# Altium PCB HAND_MULTILAYER.PcbDoc (part 2 of 3) (continued)
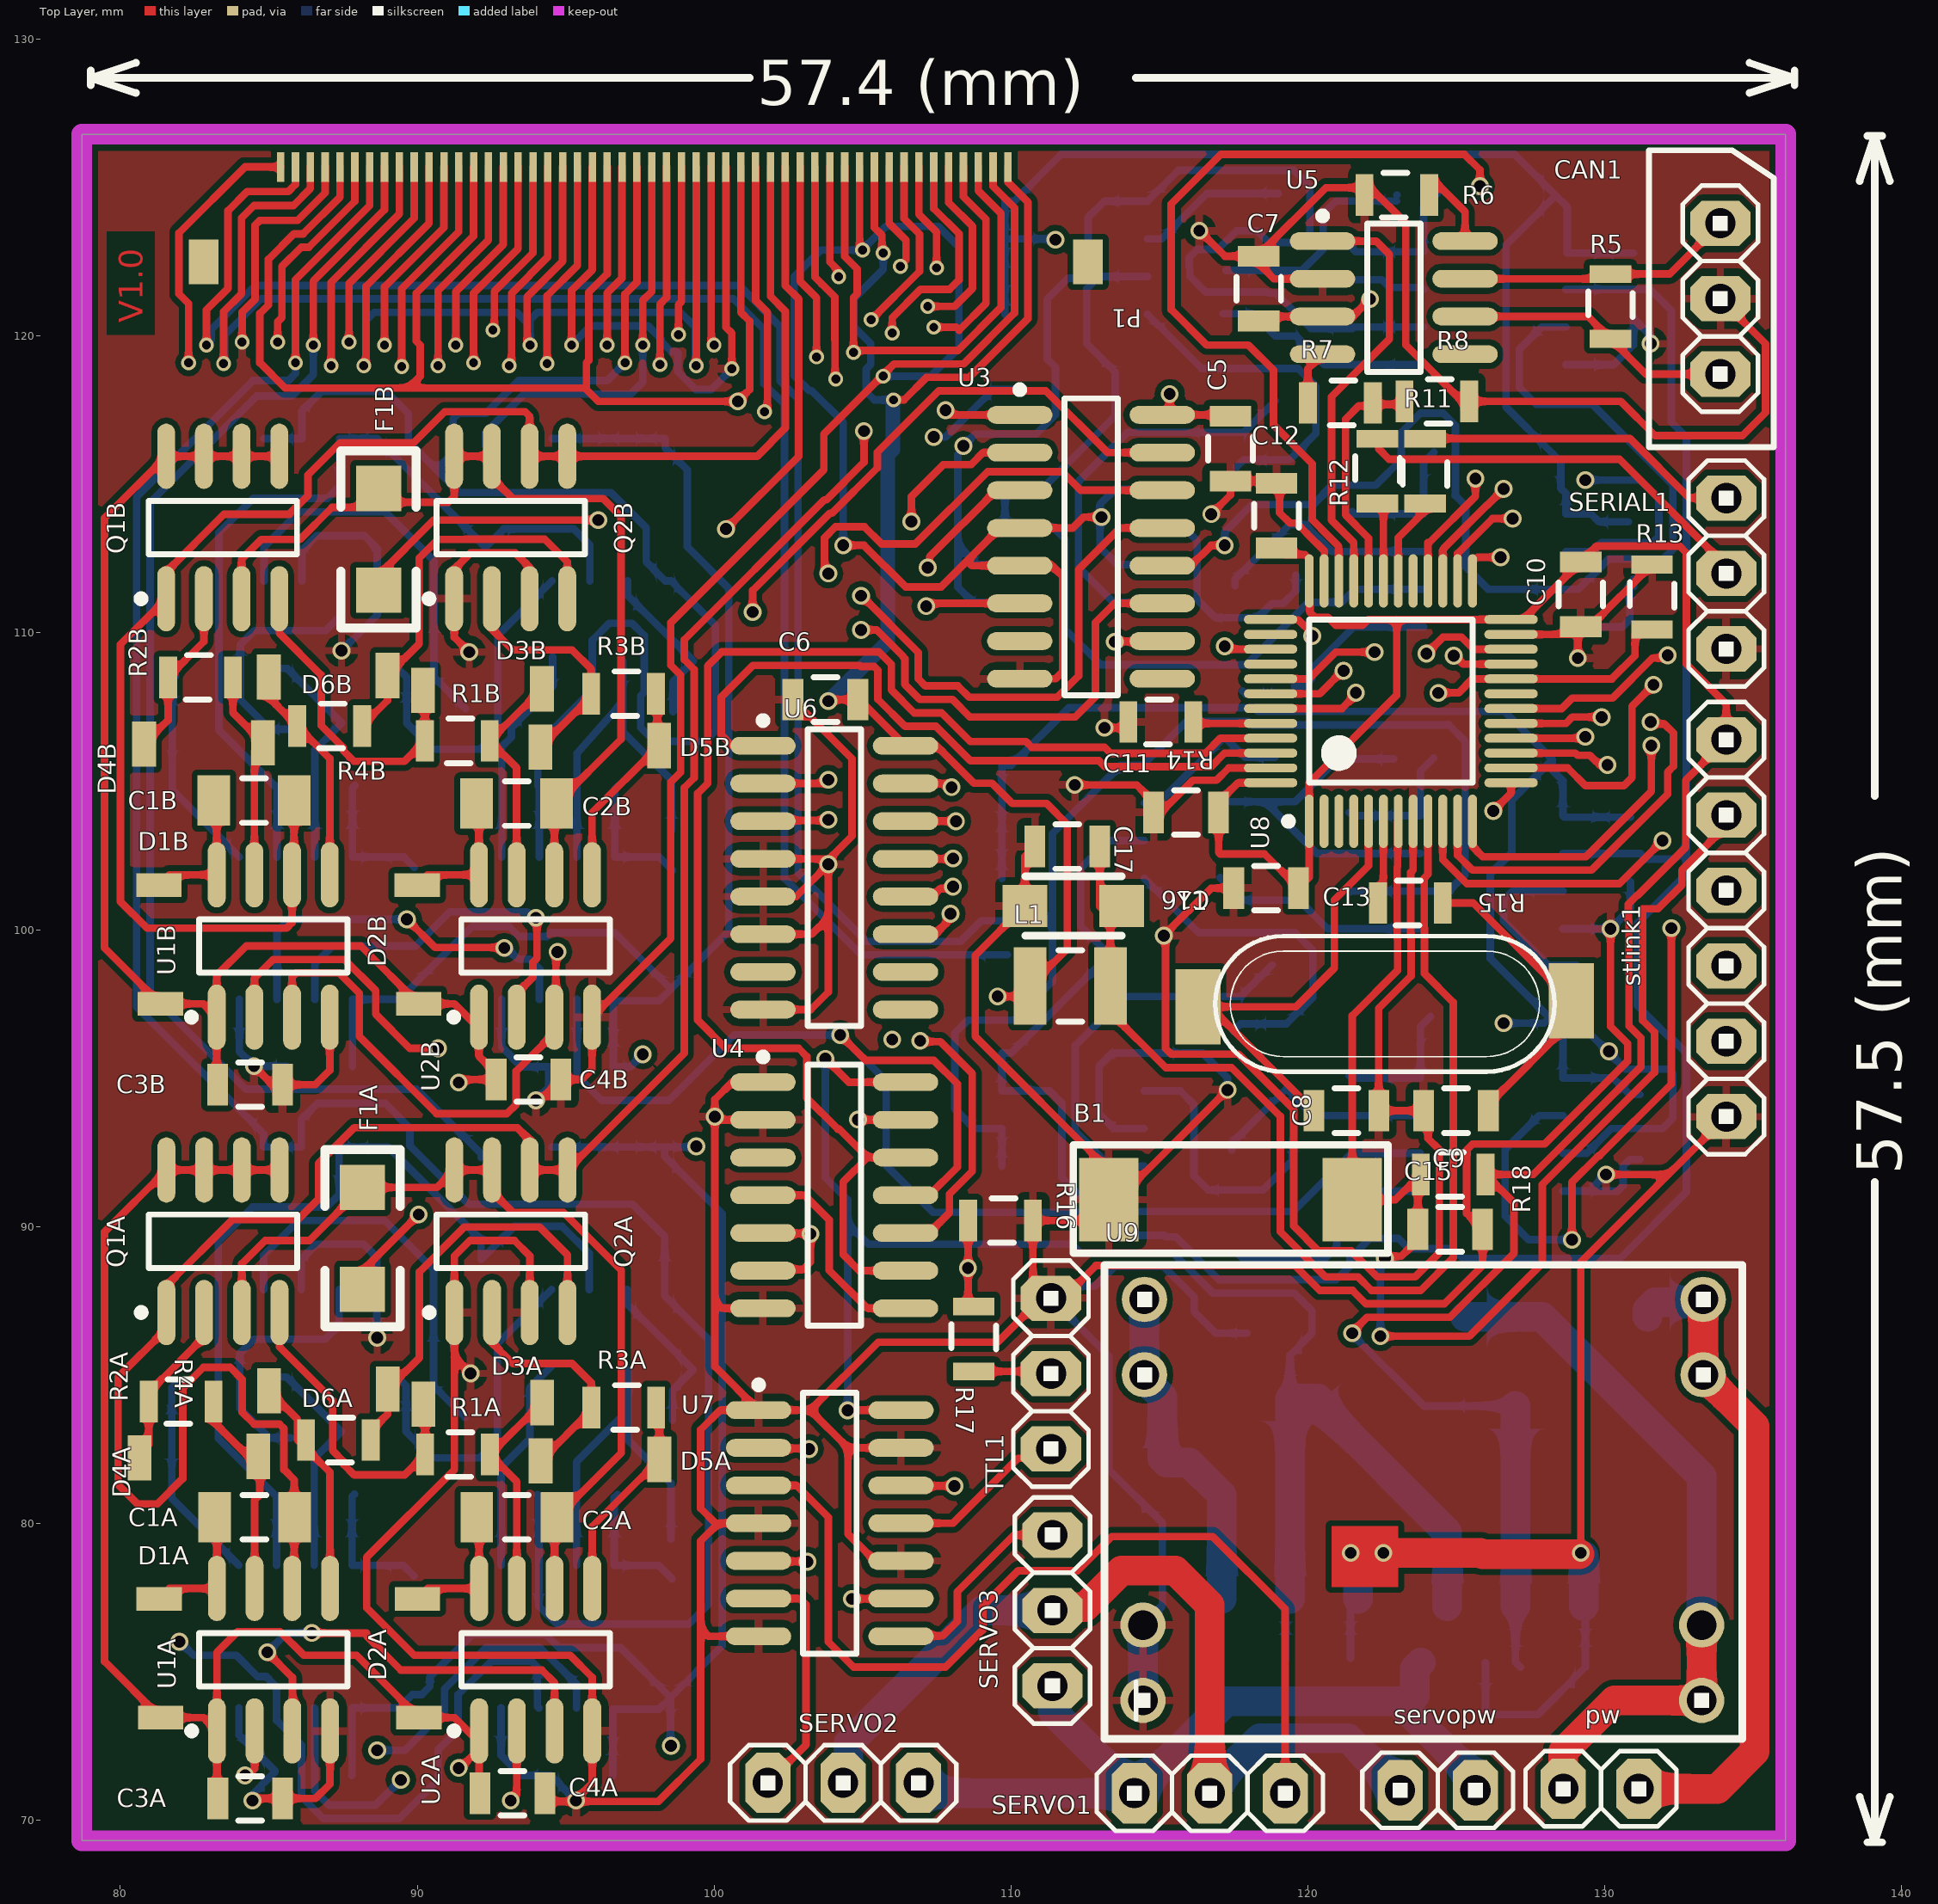
[diagram p0: Top Layer view]
## Nets (pads, with @x,y where several pads share a name; then routed paths per layer and width w, separated by ;. In a path a pad name is that pad's centre, name@x,y a point inside that pad or via, vN(x,y) a via of type N, cw(c..) or ccw(c..) an arc to the next point about the centre after c; other vN are vias at no path point) (continued)
NetC2B_2: C2B.2 D2B.K U2B.8 | length 4.7
  Top Layer w0.254: D2B.K@90,101.5 90.35,101.85 U2B.8@92.08,101.85 92.08,104.17 C2B.2@92,104.25
NetC2C_1: C2C.1 F1C.2 Q1C.3 Q2C.7 Q2C.8 U2C.6 | length 29.7
  Bottom Layer w0.254: U2C.6@85.28,102.45 85.28,104.77 C2C.1@85.2,104.85 83.317,106.733 83.317,113.375 84.471,114.529 86.971,114.529 87.385,114.943 Q2C.7@87.385,116.55 Q2C.8@88.655,116.55 88.655,116.53 F1C.2@92.3,112.885 92.914,113.5 95.277,113.5 95.815,112.962 Q1C.3@95.815,111.75
NetC2C_2: C2C.2 D2C.K U2C.8 | length 4.7
  Bottom Layer w0.254: C2C.2@87.9,104.85 87.82,104.77 U2C.8@87.82,102.45 89.55,102.45 D2C.K@89.9,102.1
NetC2D_1: C2D.1 F1D.2 Q1D.3 Q2D.7 Q2D.8 U2D.6 | length 31.7
  Bottom Layer w0.254: Q1D.3@114.6,122.005 112.955,122.005 112.55,121.6 112.55,119.75 113.515,118.785 F1D.2@113.515,118.2 113.515,117.315 111.045,114.845 Q2D.8@109.8,114.845 Q2D.7@109.8,113.575 111.407,113.575 111.821,113.161 111.821,110.129 113.027,108.923 117.923,108.923 120.03,111.03 121.14,111.03 C2D.1@121.5,111.39 ; C2D.1@121.58,111.47 U2D.6@123.9,111.47
NetC2D_2: C2D.2 D2D.K U2D.8 | length 4.7
  Bottom Layer w0.254: C2D.2@121.5,114.09 121.58,114.01 U2D.8@123.9,114.01 123.9,115.74 D2D.K@124.25,116.09
NetC2E_1: C2E.1 F1E.2 Q1E.3 Q2E.7 Q2E.8 U2E.6 | length 30.5
  Bottom Layer w0.254: U2E.6@85.263,78.575 85.263,80.895 C2E.1@85.183,80.975 83.3,82.858 83.3,89.5 84.454,90.654 86.954,90.654 87.368,91.068 Q2E.7@87.368,92.675 Q2E.8@88.638,92.675 89.025,92.675 92.15,89.55 F1E.2@92.15,88.885 93.264,90 94.885,90 95.798,89.087 Q1E.3@95.798,87.875
NetC2E_2: C2E.2 D2E.K U2E.8 | length 4.7
  Bottom Layer w0.254: C2E.2@87.883,80.975 87.803,80.895 U2E.8@87.803,78.575 89.533,78.575 D2E.K@89.883,78.225
NetC2F_1: C2F.1 F1F.2 Q1F.3 Q2F.7 Q2F.8 U2F.6 | length 30.2
  Bottom Layer w0.254: Q1F.3@114.495,102.998 113.283,102.998 112.35,102.065 112.35,100.114 F1F.2@113.315,99.15 110.002,95.838 Q2F.8@109.695,95.838 Q2F.7@109.695,94.568 111.302,94.568 111.716,94.154 111.716,91.654 112.87,90.5 119.512,90.5 121.475,92.463 U2F.6@123.795,92.463
NetC2F_2: C2F.2 D2F.K U2F.8 | length 4.7
  Bottom Layer w0.254: C2F.2@121.395,95.083 121.475,95.003 U2F.8@123.795,95.003 123.795,96.733 D2F.K@124.145,97.083
NetC8_1: C8.1 U8.5 Y1.2 | length 15.5
  Top Layer w0.254: Y1.2@116.3,97.4 Y1.2@116.708,97.4 ; C8.1@120.208,93.9 Y1.2@116.708,97.4 ; U8.5@122.05,103.65 122.05,102.15 120.9,101 120.9,98.7 119.6,97.4 Y1.2@116.708,97.4
NetC9_2: C9.2 R15.2 Y1.1 | length 10
  Top Layer w0.254: 124.892,100.9 125.575,100.9 Y1.1@128.875,97.6 128.875,96.891 C9.2@126.084,94.1
NetC16_+: C16.+ C17.2 L1.2 U8.9 | length 39.1
  Top Layer w0.254: C17.2@112.992,102.8 112.992,100.778 113.35,100.42 L1.2@113.35,98.1 113.35,97.214 115.214,95.349 117.437,95.349 119.077,93.71 119.077,89.819 120.595,88.3 121.698,88.3 122.152,87.846 123.808,87.846 124.9,88.938 124.9,97.55 123.935,98.515 123.935,100.053 123.923,100.065 123.923,101.735 124.05,101.862 U8.9@124.05,103.65
NetC20_-: C20.- pw.2 U9.1 | length 24.4
  Top Layer w1: pw.2@128.61,71.05 128.61,72.31 130.327,74.027 U9.1@133.271,74.027 U9.1@133.271,76.567
  Bottom Layer w1: C20.-@125.3,86.95 127.9,86.95 133.271,81.579 U9.1@133.271,76.567
NetD3A_A: D3A.A Q1A.4 R1A.2 | length 10.9
  Top Layer w0.254: Q1A.4@85.362,87.1 85.362,85.938 87.15,84.15 87.15,82.45 87.522,82.078 87.522,81.977 87.874,81.625 89.577,81.625 R1A.2@90.265,82.313 90.265,83.955 D3A.A@90.207,84.013
NetD3A_K: D3A.K R1A.1 U2A.7 | length 7.4
  Top Layer w0.254: U2A.7@93.357,77.8 93.357,81.405 R1A.1@92.449,82.313 92.457,82.313 D3A.K@94.207,84.063
NetD3B_A: D3B.A Q1B.4 R1B.2 | length 10.9
  Top Layer w0.254: Q1B.4@85.355,111.15 85.355,109.988 86.768,108.575 86.768,106.875 87.515,106.128 87.515,106.027 87.867,105.675 89.57,105.675 R1B.2@90.258,106.363 90.258,108.005 D3B.A@90.2,108.063
NetD3B_K: D3B.K R1B.1 U2B.7 | length 7.4
  Top Layer w0.254: U2B.7@93.35,101.85 93.35,105.455 R1B.1@92.442,106.363 92.45,106.363 D3B.K@94.2,108.113
NetD3C_A: D3C.A Q1C.4 R1C.2 | length 11.4
  Bottom Layer w0.254: D3C.A@89.4,108.75 89.642,108.508 R1C.2@89.642,106.963 90.53,106.075 92.117,106.075 92.717,106.675 92.717,109.922 Q1C.4@94.545,111.75
NetD3C_K: D3C.K R1C.1 U2C.7 | length 7.7
  Bottom Layer w0.254: D3C.K@85.4,108.8 85.621,108.8 R1C.1@87.458,106.963 86.55,106.055 U2C.7@86.55,102.45
NetD3D_A: D3D.A Q1D.4 R1D.2 | length 11.4
  Bottom Layer w0.254: Q1D.4@114.6,120.735 116.428,118.907 119.675,118.907 120.275,118.307 120.275,116.72 119.387,115.832 R1D.2@119.3,115.832 117.842,115.832 D3D.A@117.6,115.59
NetD3D_K: D3D.K R1D.1 U2D.7 | length 7.7
  Bottom Layer w0.254: D3D.K@117.55,111.59 117.55,111.811 119.387,113.648 119.902,113.648 120.81,112.74 U2D.7@123.9,112.74
NetD3E_A: D3E.A Q1E.4 R1E.2 | length 11.4
  Bottom Layer w0.254: D3E.A@89.383,84.875 89.625,84.633 R1E.2@89.625,83.088 90.513,82.2 92.1,82.2 92.7,82.8 92.7,86.047 Q1E.4@94.528,87.875
NetD3E_K: D3E.K R1E.1 U2E.7 | length 7.7
  Bottom Layer w0.254: D3E.K@85.383,84.925 85.604,84.925 R1E.1@87.441,83.088 86.533,82.18 U2E.7@86.533,78.575
NetD3F_A: D3F.A Q1F.4 R1F.2 | length 11.4
  Bottom Layer w0.254: Q1F.4@114.495,101.728 116.323,99.9 119.57,99.9 120.17,99.3 120.17,97.713 R1F.2@119.282,96.825 117.737,96.825 D3F.A@117.495,96.583
NetD3F_K: D3F.K R1F.1 U2F.7 | length 7.7
  Bottom Layer w0.254: D3F.K@117.445,92.583 117.445,92.804 R1F.1@119.282,94.641 120.19,93.733 U2F.7@123.795,93.733
NetD4A_A: D4A.A Q1A.2 R2A.1 | length 5.9
  Top Layer w0.254: D4A.A@80.5,82.2 80.958,82.658 R2A.1@80.958,84.1 80.958,84.5 81.131,84.673 81.223,84.673 82.822,86.272 Q1A.2@82.822,87.1
NetD4A_K: D4A.K R2A.2 U1A.7 | length 7
  Top Layer w0.254: R2A.2@83.129,84.113 R2A.2@83.142,84.1 83.142,83.415 84.7,81.857 84.7,80.956 84.522,80.778 U1A.7@84.522,77.8
NetD4B_A: D4B.A Q1B.2 R2B.1 | length 6.5
  Top Layer w0.254: D4B.A@80.8,106.25 81.608,107.058 R2B.1@81.608,108.5 82.815,109.707 Q1B.2@82.815,111.15 Q1B.2@82.815,110.422
NetD4B_K: D4B.K R2B.2 U1B.7 | length 7.2
  Top Layer w0.254: R2B.2@83.792,108.5 83.792,107.308 D4B.K@84.8,106.3 84.515,106.015 U1B.7@84.515,101.85
NetD4C_A: D4C.A Q1C.2 R2C.1 | length 5.6
  Bottom Layer w0.254: Q1C.2@97.085,111.75 97.085,111.269 99.309,109.045 98.617,108.353 D4C.A@98.617,107.345
NetD4C_K: D4C.K R2C.2 U1C.7 | length 12.2
  Bottom Layer w0.254: U1C.7@95.385,102.45 95.385,105.943 96.925,107.683 ; R2C.2@96.925,109.045 96.925,107.683 ; D4C.K@98.567,103.345 98.567,105.033 96.925,106.675 96.925,107.683
NetD4D_A: D4D.A Q1D.2 R2D.1 | length 5.1
  Bottom Layer w0.254: Q1D.2@114.6,123.275 115.081,123.275 116.603,124.797 116.593,124.807 D4D.A@119.005,124.807
NetD4D_K: D4D.K R2D.2 U1D.7 | length 12.9
  Bottom Layer w0.254: R2D.2@117.255,122.215 118.617,122.215 ; D4D.K@123,124.55 120.95,124.55 120.523,124.123 120.523,122.923 119.815,122.215 118.617,122.215 ; D4D.K@123,124.757 D4D.K@123.005,124.757 ; U1D.7@123.9,121.575 123.834,121.641 122.759,121.641 122.5,121.9 119.498,121.9 119.491,121.902 118.617,122.215
NetD4E_A: D4E.A Q1E.2 R2E.1 | length 5.6
  Bottom Layer w0.254: Q1E.2@97.068,87.875 97.068,87.394 99.292,85.17 98.6,84.478 D4E.A@98.6,83.47
NetD4E_K: D4E.K R2E.2 U1E.7 | length 12.3
  Bottom Layer w0.254: U1E.7@95.368,78.575 95.368,82.068 97.108,83.808 ; R2E.2@97.108,85.17 97.108,83.808 ; D4E.K@98.55,79.47 98.55,81.35 97.108,82.792 97.108,83.808
NetD4F_A: D4F.A Q1F.2 R2F.1 | length 5.6
  Bottom Layer w0.254: Q1F.2@114.495,104.268 114.976,104.268 117.15,106.442 117.25,106.442 117.892,105.8 D4F.A@118.9,105.8
NetD4F_K: D4F.K R2F.2 U1F.7 | length 12.3
  Bottom Layer w0.254: R2F.2@117.2,104.308 118.562,104.308 ; D4F.K@122.9,105.75 121.02,105.75 119.578,104.308 118.562,104.308 ; U1F.7@123.795,102.568 120.302,102.568 118.562,104.308
NetD5A_A: D5A.A Q2A.2 R3A.2 | length 8.3
  Top Layer w0.254: Q2A.2@92.522,87.1 92.522,86.078 93.222,85.378 95.222,85.378 95.865,84.735 R3A.2@95.865,83.9 95.865,83.808 D5A.A@94.157,82.1
NetD5A_K: D5A.K R3A.1 U2A.5 | length 7.1
  Top Layer w0.254: U2A.5@95.897,77.8 95.897,79.89 D5A.K@98.157,82.15 98.157,83.792 R3A.1@98.049,83.9
NetD5B_A: D5B.A Q2B.2 R3B.2 | length 8.3
  Top Layer w0.254: Q2B.2@92.515,111.15 92.515,110.128 93.215,109.428 95.215,109.428 95.858,108.785 R3B.2@95.858,107.95 95.858,107.858 D5B.A@94.15,106.15
NetD5B_K: D5B.K R3B.1 U2B.5 | length 7
  Top Layer w0.254: U2B.5@95.89,101.85 95.89,103.94 98.088,106.138 98.088,107.904 R3B.1@98.042,107.95
NetD5C_A: D5C.A Q2C.2 R3C.2 | length 8.9
  Bottom Layer w0.254: D5C.A@85.75,106.75 85.042,106.75 84.042,107.75 R3C.2@84.042,108.55 84.042,109.6 84.517,110.075 86.917,110.075 87.385,110.543 Q2C.2@87.385,111.75
NetD5C_K: D5C.K R3C.1 U2C.5 | length 7.1
  Bottom Layer w0.254: R3C.1@81.858,108.55 81.75,108.442 D5C.K@81.75,106.8 81.75,104.71 U2C.5@84.01,102.45
NetD5D_A: D5D.A Q2D.2 R3D.2 | length 8.3
  Bottom Layer w0.254: Q2D.2@114.6,113.575 115.807,113.575 116.275,113.107 116.275,111.125 116.888,110.512 118.319,110.512 118.8,110.992 119.173,110.992 119.6,111.419 D5D.A@119.6,111.94
NetD5D_K: D5D.K R3D.1 U2D.5 | length 7.2
  Bottom Layer w0.254: R3D.1@117.8,108.048 117.908,107.94 D5D.K@119.55,107.94 ; D5D.K@119.55,108.2 119.873,108.2 120.146,108.473 120.146,108.796 121.55,110.2 U2D.5@123.9,110.2
NetD5E_A: D5E.A Q2E.2 R3E.2 | length 8.9
  Bottom Layer w0.254: D5E.A@85.733,82.875 85.025,82.875 84.025,83.875 R3E.2@84.025,84.675 84.025,85.725 84.5,86.2 86.9,86.2 87.368,86.668 Q2E.2@87.368,87.875
NetD5E_K: D5E.K R3E.1 U2E.5 | length 7.1
  Bottom Layer w0.254: R3E.1@81.841,84.675 81.733,84.567 D5E.K@81.733,82.925 81.733,80.835 U2E.5@83.993,78.575
NetD5F_A: D5F.A Q2F.2 R3F.2 | length 8.9
  Bottom Layer w0.254: Q2F.2@114.495,94.568 115.702,94.568 116.17,94.1 116.17,91.7 116.645,91.225 R3F.2@117.695,91.225 118.495,91.225 119.495,92.225 D5F.A@119.495,92.933
NetD5F_K: D5F.K R3F.1 U2F.5 | length 7.7
  Bottom Layer w0.254: R3F.1@117.695,89.041 117.803,88.933 D5F.K@119.445,88.933 120.588,88.933 120.975,89.32 120.975,90.325 121.843,91.193 U2F.5@123.795,91.193
NetD6A_A: D6A.A Q2A.4 R4A.1 | length 14.2
  Top Layer w0.254: R4A.1@88.285,82.949 89.007,83.671 D6A.A@89.007,84.513 90.075,85.581 90.075,88.467 91.587,89.979 94.121,89.979 95.062,89.038 Q2A.4@95.062,87.1
NetD6A_K: D6A.K R4A.2 U1A.5 | length 7.5
  Top Layer w0.254: D6A.K@85.007,84.463 85.965,83.505 85.965,82.813 87.062,81.715 U1A.5@87.062,77.8
NetD6B_A: D6B.A Q2B.4 R4B.1 | length 13.3
  Top Layer w0.254: R4B.1@88.142,106.863 89,107.721 D6B.A@89,108.563 90.068,109.631 90.068,112.517 90.701,113.15 91.608,113.15 91.612,113.154 94.296,113.154 95.055,112.395 Q2B.4@95.055,111.15
NetD6B_K: D6B.K R4B.2 U1B.5 | length 7.5
  Top Layer w0.254: D6B.K@85,108.513 85,107.821 R4B.2@85.958,106.863 87.055,105.766 U1B.5@87.055,101.85
NetD6C_A: D6C.A Q2C.4 R4C.1 | length 13.5
  Bottom Layer w0.254: Q2C.4@84.845,111.75 84.845,112.903 86.017,114.075 88.917,114.075 90.567,112.425 D6C.A@90.567,109.245 90.567,108.503 R4C.1@91.625,107.445
NetD6C_K: D6C.K R4C.2 U1C.5 | length 7.5
  Bottom Layer w0.254: U1C.5@92.845,102.45 92.845,106.161 93.171,106.487 93.171,106.807 R4C.2@93.809,107.445 94.567,108.203 D6C.K@94.567,109.195
NetD6D_A: D6D.A Q2D.4 R4D.1 | length 13.5
  Bottom Layer w0.254: Q2D.4@114.6,111.035 113.447,111.035 112.275,112.207 112.275,115.107 113.925,116.757 D6D.A@117.105,116.757 117.847,116.757 R4D.1@118.905,117.815
NetD6D_K: D6D.K R4D.2 U1D.5 | length 7.5
  Bottom Layer w0.254: D6D.K@117.155,120.757 118.147,120.757 R4D.2@118.905,119.999 119.601,119.999 120.565,119.035 U1D.5@123.9,119.035
NetD6E_A: D6E.A Q2E.4 R4E.1 | length 13.5
  Bottom Layer w0.254: Q2E.4@84.828,87.875 84.828,89.028 86,90.2 88.9,90.2 90.55,88.55 D6E.A@90.55,85.37 90.55,84.628 R4E.1@91.608,83.57
NetD6E_K: D6E.K R4E.2 U1E.5 | length 7.5
  Bottom Layer w0.254: U1E.5@92.828,78.575 92.828,81.878 93.792,82.842 R4E.2@93.792,83.57 93.792,84.562 D6E.K@94.55,85.32
NetD6F_A: D6F.A Q2F.4 R4F.1 | length 13.5
  Bottom Layer w0.254: Q2F.4@114.495,92.028 113.342,92.028 112.17,93.2 112.17,96.1 113.82,97.75 D6F.A@117,97.75 117.742,97.75 R4F.1@118.8,98.808
NetD6F_K: D6F.K R4F.2 U1F.5 | length 7.5
  Bottom Layer w0.254: D6F.K@117.05,101.75 117.808,100.992 R4F.2@118.8,100.992 119.708,100.992 120.672,100.028 U1F.5@123.795,100.028
NetR6_2: R6.2 U5.8 | length 2.4
  Top Layer w0.254: R6.2@124.292,125.2 125.3,124.192 U5.8@125.3,123.2
NetR7_2: R7.2 U5.4 | length 1.9
  Top Layer w0.254: R7.2@120.008,117.7 R7.2@120.008,117.75 120.008,118.898 U5.4@120.5,119.39
NetR11_2: R11.2 SERIAL1.3 | length 10.8
  Top Layer w0.254: R11.2@124.1,116.55 130.85,116.55 132.852,114.548 134.092,114.548 SERIAL1.3@134.1,114.54
NetR12_1: R12.1 SERIAL1.2 | length 13.9
  Top Layer w0.254: R12.1@122.4,116.492 122.4,116.192 122.742,115.85 130.505,115.85 134.1,112.255 SERIAL1.2@134.1,112
NetR15_1: R15.1 U8.6 | length 2.2
  Top Layer w0.254: R15.1@122.55,101.45 U8.6@122.55,103.65
NetR17_2: R17.2 TTL1.2 | length 2.6
  Top Layer w0.254: R17.2@108.75,85.116 111.274,85.116 TTL1.2@111.35,85.04
NetSERVO1_1: SERVO1.1 U7.3 | length 32.2
  Top Layer w0.254: U7.3@101.5,81.27 102.78,81.27 103.85,80.2 103.85,76 104.7,75.15 107.8,75.15 109.05,76.4 109.05,77.2 110.25,78.4 112.25,78.4 113.4,79.55 116.8,79.55 119.24,77.11 SERVO1.1@119.24,70.9
NetSERVO2_1: SERVO2.1 U7.6 | length 8.2
  Top Layer w0.254: U7.6@101.5,77.46 102.89,77.46 103.1,77.25 103.1,72.54 SERVO2.1@101.81,71.25
NetSERVO3_1: SERVO3.1 U7.8 | length 7.1
  Top Layer w0.254: U7.8@106.3,76.19 106.31,76.2 107.7,76.2 108.196,76.696 108.196,77.696 110.1,79.6 SERVO3.1@111.4,79.6
NetTTL1_1: TTL1.1 U7.11 | length 6.1
  Top Layer w0.254: U7.11@106.3,80 108.05,80 110.236,82.186 111.036,82.186 TTL1.1@111.35,82.5
NetU4_4: U4.4 U4.8 | length 7.4
  Top Layer w0.254: U4.4@101.65,91.05 103.05,91.05 103.877,90.223 103.877,88.523 105.16,87.24 U4.8@106.45,87.24
PA9: R11.1 U8.30 | length 2.9
  Top Layer w0.254: U8.30@123.05,111.75 123.05,113.208 R11.1@124.1,114.258
PA10: R12.2 U8.31 | length 2.7
  Top Layer w0.254: R12.2@122.35,114.358 122.377,114.358 122.55,114.185 U8.31@122.55,111.75
PA13: stlink1.4 U8.34 | length 55
  Top Layer w0.254: U8.34@121.05,111.75 121.041,111.759 121.041,112.917 120.431,113.527 120.431,113.531 120.15,113.812 120.15,115.7 118.85,117 118.85,118.85 118.002,119.698 116.598,119.698 115.4,120.895 115.4,124.45 117.073,126.123 125.277,126.123 125.8,125.6 v1(125.8,125.05)
  GND w0.254: v1(125.8,125.05) 125.8,124.392 132.754,117.438 132.754,102.412 133.846,101.32 stlink1.4@134.1,101.32
PA14: stlink1.3 U8.37 | length 26.5
  Top Layer w0.254: U8.37@118.75,110.45 118.759,110.441 119.683,110.441 120.15,109.975 v1(120.15,109.896)
  POWER w0.254: v1(120.15,109.896) 118.404,109.896 118.4,109.9 117.827,109.327 117.827,109.29 117.743,109.207 117.743,106.741 123.684,100.8 128.292,100.8 130.312,98.78 stlink1.3@134.1,98.78
PB2: R13.2 U7.12 U8.20 | length 45.5
  Top Layer w0.254: U7.12@106.3,81.27 106.31,81.26 108.09,81.26 v1(108.1,81.25) ; v1(124.4,107.977) 124.404,107.981 125.081,107.981 125.55,108.45 U8.20@126.85,108.45 130.246,108.45 131.027,109.231 131.027,109.943 131.2,110.116 R13.2@131.6,110.116
  GND w0.254: v1(108.1,81.25) 108.1,81.322 107.85,81.572 107.85,90.85 110.15,93.15 112.8,93.15 124.4,104.75 v1(124.4,107.977)
PB3: R16.2 R17.1 stlink1.2 U8.39 | length 60.3
  Top Layer w0.254: R16.2@108.558,90.2 108.558,87.492 R17.1@108.75,87.3 ; v1(117.2,109.55) 117.294,109.55 117.394,109.45 U8.39@118.75,109.45
  POWER w0.254: v1(117.2,109.55) 117.2,106.642 123.692,100.15 128.3,100.15 132.21,96.24 stlink1.2@134.1,96.24
  GND w0.254: v1(108.554,88.6) 108.554,90.755 109.449,91.65 111.95,91.65 118.5,98.2 130.65,98.2 132.61,96.24 stlink1.2@134.1,96.24
PULSE: U4.9 U4.12 U8.45 | length 49
  Top Layer w0.254: U4.9@106.45,88.51 104.89,88.51 104.35,89.05 104.35,91.5 105.17,92.32 105.18,92.32 ; U4.12@106.45,92.32 105.18,92.32 ; U8.45@118.75,106.45 117.055,106.45 116.547,105.942 113.362,105.942 113.159,106.145 110.705,106.145 110.509,106.341 108.633,106.341 107.67,107.304 106.746,107.304 105.973,108.077 105.973,108.94 105.552,109.361 100.261,109.361 99.785,108.885 99.785,104.926 99.45,104.591 99.45,96.95 100.4,96 102.85,96 103.123,95.727 103.123,94.327 104.173,93.277 104.223,93.277 105.18,92.32
RESET: B1.2 C15.2 R18.1 stlink1.5 U8.7 | length 46.9
  Top Layer w0.254: v1(122.45,86.3) 125.45,86.3 127.9,88.75 127.9,91.408 131.685,95.193 131.685,96.536 131.279,96.942 131.279,100.476 131.277,100.478 131.277,100.7 131.8,100.7 132.602,101.502 132.602,102.002 134.1,103.5 stlink1.5@134.1,103.86 ; v1(122.6,88.927) 122.666,88.993 123.151,88.993 123.708,89.55 C15.2@123.708,89.9 123.708,91.65 122.958,90.9 B1.2@121.5,90.9 121.5,97.1 123.027,98.627 123.027,99.676 123.015,99.688 123.015,102.112 123.027,102.124 123.027,103.627 U8.7@123.05,103.65
  Bottom Layer w0.254: v1(122.45,86.3) 122.45,88.777 v1(122.6,88.927)
SD1: U1A.3 U2A.3 U3.15 | length 84
  Top Layer w0.254: v1(84.95,75.65) 85.8,74.8 85.8,73.008 U1A.3@85.792,73 ; v1(86.45,76.3) 88.3,76.3 88.3,76.2 89.45,75.05 94.2,75.05 94.627,74.623 U2A.3@94.627,73 ; v1(101.3,110.7) 101.3,111.429 103.902,114.031 103.973,114.031 105.504,115.562 105.504,116.091 107.567,118.154 111.178,118.154 113.257,116.075 U3.15@115.1,116.075
  POWER w0.254: v1(86.45,76.3) 83.95,76.3 82.573,74.923 81.34,74.923 80.8,75.463 80.8,90.2 v1(101.3,110.7)
  Bottom Layer w0.254: v1(84.95,75.65) 85.6,76.3 v1(86.45,76.3)
SD2: U1B.3 U2B.3 U3.14 | length 48.4
  Top Layer w0.254: U1B.3@85.785,97.05 85.785,98.393 85.934,98.542 87.362,98.542 88.05,97.854 88.05,96.4 90.65,93.8 93.02,93.8 93.335,94.115 93.335,95.235 94.62,96.52 U2B.3@94.62,97.05 94.673,97.103 94.673,99.196 v1(94.727,99.25) ; v1(103.85,112) 103.723,112.127 103.723,113.21 104.09,113.577 105.065,113.577 105.642,113 106.787,113 109.219,115.432 111.727,115.432 112.354,114.805 U3.14@115.1,114.805
  POWER w0.254: v1(94.727,99.25) 94.727,102.877 v1(103.85,112)
SD3: U1C.3 U2C.3 U3.13 | length 48.7
  Top Layer w0.254: v1(89.65,100.35) 90.6,99.4 92.913,99.4 v1(92.932,99.382) ; v1(104.95,111.25) 104.971,111.25 106.881,109.34 106.881,108.453 107.122,108.212 108.214,108.212 108.598,107.828 111.558,107.828 112.28,108.55 112.28,112.13 113.685,113.535 U3.13@115.1,113.535
  POWER w0.254: v1(92.932,99.382) 92.968,99.382 93.727,98.623 94.987,98.623 95.354,98.99 95.354,101.654 v1(104.95,111.25)
  Bottom Layer w0.254: U2C.3@85.28,97.65 85.28,99.93 85.7,100.35 v1(89.65,100.35) ; v1(92.932,99.382) 93.025,99.382 93.396,99.011 93.789,99.011 94.115,98.685 U1C.3@94.115,97.65
SD4: U1D.3 U2D.3 U3.12 | length 37.6
  Top Layer w0.254: U3.12@115.1,112.265 116.065,112.265 116.75,112.95 v1(117.2,112.95)
  Bottom Layer w0.254: v1(117.2,112.95) 117.2,113.4 118.121,114.321 120.194,114.321 120.525,114.652 120.525,114.687 120.815,114.977 122.289,114.977 123.15,115.838 123.15,116.75 123.8,117.4 124.564,117.4 124.977,116.987 124.977,114.637 124.96,114.637 125.327,114.27 125.327,112.223 126.08,111.47 U2D.3@128.7,111.47 129.12,111.47 129.948,112.298 129.948,112.3 130.14,112.492 131.984,112.492 132.3,112.808 132.3,114.992 129.592,117.7 127.7,117.7 127.129,118.271 127.129,119.55 127.884,120.305 U1D.3@128.7,120.305
SD5: U1E.3 U2E.3 U3.11 | length 82.2
  Top Layer w0.254: v1(104.95,110.1) 105.479,110.1 106.365,109.215 106.365,109.191 106.427,109.128 106.427,108.265 106.934,107.758 108.026,107.758 108.617,107.167 112.167,107.167 112.85,107.85 112.85,110.35 113.495,110.995 U3.11@115.1,110.995
  POWER w0.254: v1(81.985,76.004) 82.054,76.004 84.346,78.296 84.346,91.446 91.069,98.169 95.175,98.169 96.053,99.047 96.053,101.203 v1(104.95,110.1)
  Bottom Layer w0.254: v1(81.985,76.004) 82.01,76.004 82.464,75.55 83.905,75.55 84.62,74.835 84.915,74.835 85.263,74.487 U2E.3@85.263,73.775 85.263,73.357 86.1,72.52 86.1,70.788 86.838,70.05 89.4,70.05 90.7,71.35 90.7,72.358 91.376,73.034 91.376,74.226 92.496,75.346 93.854,75.346 94.05,75.15 94.05,73.823 U1E.3@94.098,73.775
SD6: U1F.3 U2F.3 U3.10 | length 41.4
  Top Layer w0.254: v1(113.5,109.7) 113.513,109.713 115.087,109.713 U3.10@115.1,109.725
  POWER w0.254: v1(113.5,109.7) 123.8,99.4 126.65,99.4 v1(130.15,95.9)
  Bottom Layer w0.254: U2F.3@128.595,92.463 129.395,92.463 130.232,93.3 131.95,93.3 132.3,93.65 132.3,95.151 132.151,95.3 130.7,95.3 129.45,96.55 129.45,98.4 129.05,98.8 128.1,98.8 126.6,100.3 126.6,101 126.898,101.298 U1F.3@128.595,101.298
SD_SEL0: U3.1 U8.26 | length 28
  Top Layer w0.254: v1(107.8,117.5) 107.955,117.345 U3.1@110.3,117.345 ; U8.26@125.05,111.75 125.05,112.675 126.225,113.85 v1(126.9,113.85)
  GND w0.254: v1(107.8,117.5) 109.5,117.5 110.1,116.9 125.942,116.9 127.325,115.517 127.325,114.275 v1(126.9,113.85)
SD_SEL1: U3.2 U8.27 | length 30.9
  Top Layer w0.254: v1(106.65,113.75) 106.65,114.6 107.723,115.673 108.66,115.673 109.062,116.075 U3.2@110.3,116.075 ; U8.27@124.55,111.75 124.55,112.8 124.596,112.846 124.596,112.863 126.037,114.304 126.054,114.304 v1(126.6,114.85)
  GND w0.254: v1(106.65,113.75) 107.45,113.75 109.7,116 126.2,116 126.6,115.6 v1(126.6,114.85)
SD_SEL2: U3.3 U8.28 | length 28.2
  Top Layer w0.254: v1(107.2,112.2) 107.266,112.266 107.266,112.566 109.505,114.805 U3.3@110.3,114.805 ; U8.28@124.05,111.75 124.05,113.039 124.093,113.039 125.65,114.595 v1(125.65,115.2)
  GND w0.254: v1(107.2,112.2) 110.2,115.2 ; 110.2,115.2 v1(125.65,115.2)
SERVO_GND: R9.1 SERVO1.3 SERVO2.3 SERVO3.3 servopw.2 | length 28.3
  Bottom Layer w1: SERVO2.3@106.89,71.25 107.24,70.9 SERVO1.3@114.16,70.9 ; SERVO3.3@111.4,74.52 111.4,73.66 SERVO1.3@114.16,70.9 ; R9.1@123.808,75.3 123.608,75.1 123.608,74.19 123.418,74 ; servopw.2@125.65,71 125.65,71.4 123.234,73.816 123.418,74 ; SERVO1.3@114.16,70.9 117.26,74 123.418,74
SERVO_SIG1: U7.2 U8.41 | length 45.6
  Top Layer w0.254: U7.2@101.5,82.54 101.52,82.52 103.18,82.52 v1(103.2,82.5) ; U8.41@118.75,108.45 120.05,108.45 120.95,109.35 v1(122.25,109.35)
  GND w0.254: v1(103.2,82.5) 103.2,87.761 102.623,88.338 102.623,92.307 104.777,94.461 112.253,94.461 122.704,104.912 122.704,108.841 122.25,109.295 v1(122.25,109.35)
SERVO_SIG2: U7.5 U8.42 | length 48.4
  Top Layer w0.254: U7.5@101.5,78.73 101.515,78.715 103.135,78.715 v1(103.15,78.7) ; U8.42@118.75,107.95 120.4,107.95 121.173,108.723 v1(121.21,108.723)
  GND w0.254: v1(103.15,78.7) 102.623,79.227 102.623,82.19 102.169,82.644 102.169,92.495 104.589,94.915 112.065,94.915 122.25,105.1 122.25,108.3 121.827,108.723 v1(121.21,108.723)
SERVO_SIG3: U7.9 U8.43 | length 49.9
  Top Layer w0.254: v1(104.65,77.45) 104.655,77.455 106.295,77.455 U7.9@106.3,77.46 ; U8.43@118.75,107.45 121.15,107.45 121.623,107.923 v1(121.623,107.985)
  GND w0.254: v1(104.65,77.45) 103.219,77.45 102.169,78.5 102.169,82.002 101.715,82.456 101.715,92.683 104.401,95.369 111.735,95.369 121.623,105.257 v1(121.623,107.985)
SERVO_VIN: SERVO1.2 SERVO2.2 SERVO3.2 servopw.1 | length 30.9
  Top Layer w1: SERVO3.2@111.4,77.06 111.513,77.173 112.492,77.173 113.72,78.4 115.54,78.4 116.7,77.24 SERVO1.2@116.7,70.9
  Bottom Layer w1: SERVO2.2@104.35,71.25 104.524,71.424 104.524,72.574 109.01,77.06 SERVO3.2@111.4,77.06 ; SERVO1.2@116.7,70.9 116.7,71.066 118.384,72.75 121.36,72.75 122.682,71.428 122.848,71.428 123.11,71.166 servopw.1@123.11,71
SPI1_SS0: U6.1 U8.46 | length 24
  Top Layer w0.254: U6.1@101.65,106.195 100.605,106.195 100.246,106.554 100.246,107.846 101.307,108.907 104.914,108.907 104.952,108.869 105.39,108.869 105.519,108.74 105.519,107.768 106.437,106.85 107.482,106.85 108.641,105.691 112.971,105.691 113.174,105.488 116.735,105.488 117.197,105.95 U8.46@118.75,105.95
SPI1_SS1: U6.2 U8.21 | length 29
  Top Layer w0.254: U6.2@101.65,104.925 103.631,104.925 103.756,105.05 v1(103.85,105.05) ; v1(124.919,109.231) 124.956,109.231 125.237,108.95 U8.21@126.85,108.95
  GND w0.254: v1(103.85,105.05) 110.3,111.5 122.687,111.5 124.919,109.268 v1(124.919,109.231)
SPI1_SS2: U6.3 U8.22 | length 29.5
  Top Layer w0.254: U6.3@101.65,103.655 101.672,103.677 103.827,103.677 v1(103.85,103.7) ; v1(124,109.3) 124.558,109.858 125.178,109.858 125.586,109.45 U8.22@126.85,109.45
  GND w0.254: v1(103.85,103.7) 106.608,106.458 106.608,106.608 111.046,111.046 122.254,111.046 v1(124,109.3)
SPI1CLK: P1.3 P1.12 P1.21 P1.30 P1.39 U8.15 | length 102.8
  Top Layer w0.254: v2(88.9,119.7) 88.9,121.658 90.9,123.658 P1.39@90.9,125.7 ; v2(94.377,119.077) 94.377,121.356 95.4,122.379 P1.30@95.4,125.7 ; v2@99.9,119.7 P1.21@99.9,125.7 ; v2@99.9,119.7 v2(100,119.7) ; P1.12@104.4,125.7 104.4,122.684 104.823,122.261 104.823,121.423 104.7,121.3 v2(104.7,119.45) 104.766,119.516 108.216,119.516 109.669,120.969 109.669,124.131 108.9,124.9 P1.3@108.9,125.7 ; U8.15@126.85,105.95 129.013,105.95 129.09,105.873 129.506,105.873 129.828,105.55 v1(130.1,105.55)
  GND w0.254: v2(88.9,119.7) 88.9,121.25 89.65,122 93.7,122 ; v2(94.377,119.077) 94.377,121.323 93.7,122 ; v2(100,119.7) 100,120.8 98.8,122 ; v1(130.1,105.55) 129.413,105.55 127.908,107.055 127.908,110.635 128.723,111.45 128.723,116.045 125.549,119.219 106.789,119.219 106.558,119.45 v2(104.7,119.45) 104.649,119.45 102.488,121.611 102.488,121.662 102.15,122 98.8,122 ; 93.7,122 98.8,122
SPI1MISO: P1.4 P1.13 P1.22 P1.31 P1.40 U8.16 | length 101.1
  Top Layer w0.254: v2(88.2,119) 88.277,119.077 88.277,121.677 90.4,123.8 P1.40@90.4,125.7 ; v2(93.8,119.7) 93.7,119.7 93.7,121.322 94.9,122.522 P1.31@94.9,125.7 ; v2(99.4,119) P1.22@99.4,125.7 ; P1.13@103.9,125.7 103.9,122.5 104.2,122.2 v2(104.2,122) ; v2(107.4,120.3) 108.158,120.3 108.258,120.2 109.162,121.104 109.162,123.938 108.4,124.7 P1.4@108.4,125.7 ; U8.16@126.85,106.45 v1@129.35,106.45
  POWER w0.254: v2(99.4,119) 99.4,120.95 100.45,122 v2(104.2,122)
  GND w0.254: v2(104.2,122) 103.85,122.35 103.85,123.15 104.35,123.65 107.4,123.65 108.4,122.65 108.4,120.5 108.1,120.2 ; v2(107.4,120.3) 107.4,120.25 107.5,120.15 117.477,120.15 ; 117.477,120.127 125.925,120.127 130.496,115.556 130.496,107.504 130.55,107.45 130.55,106.892 130.158,106.5 v1(129.35,106.5)
  Bottom Layer w0.254: v2(88.2,119) 88.277,119.077 88.277,120.527 88.55,120.8 93.35,120.8 93.8,120.35 ; v2(93.8,119.7) 93.8,120.35 ; v2(99.4,119) 99.377,119.023 99.377,120.289 98.866,120.8 94.05,120.8 93.8,120.55 93.8,120.35
SPI1MOSI: P1.5 P1.14 P1.23 P1.32 P1.41 U8.17 | length 111.7
  Top Layer w0.254: v2(87.7,119.8) 87.7,121.774 89.9,123.974 P1.41@89.9,125.7 ; v2(93.1,119) 93.177,119.077 93.177,121.44 94.4,122.664 P1.32@94.4,125.7 ; v2(98.8,120.05) 98.8,121.058 98.9,121.158 P1.23@98.9,125.7 ; P1.14@103.4,125.7 103.4,121.984 103.623,121.761 104.071,121.313 104.071,119.871 104.077,119.864 104.077,118.573 v2(104.1,118.55) ; v2(107.2,121) 108.1,121 108.708,121.608 108.708,123.692 107.9,124.5 P1.5@107.9,125.7 ; U8.17@126.85,106.95 128.7,106.95 128.914,107.164 129.894,107.164 v1(129.901,107.157)
  POWER w0.254: v2(87.7,119.8) 87.7,121.5 89.677,123.477 95.277,123.477 ; v2(93.1,119) 93.177,119.077 93.177,121.377 95.277,123.477 ; v2(98.8,120.05) 98.8,122.65 99.627,123.477 ; v2(104.1,118.55) 104.1,121.084 104.777,121.761 104.777,122.239 103.85,123.166 103.85,123.477 ; v2(107.2,121) 108.25,122.05 108.25,122.95 107.723,123.477 103.85,123.477 ; 95.277,123.477 99.627,123.477 ; 99.627,123.477 103.85,123.477
  GND w0.254: v2(107.2,121) 107.184,121 106.577,120.393 106.577,120.073 106.961,119.689 110.679,119.689 110.695,119.673 125.737,119.673 129.977,115.434 129.977,111.243 129.901,111.167 v1(129.901,107.157)
VDD: C5.2 C7.2 C14.2 C21.2 REG1.3 REG2.2 REG2.4 U3.6 U3.16 U4.14 U5.3 U7.14 | length 154.1
  Top Layer w0.254: v1(103.75,95.65) 104.54,94.86 U4.14@106.45,94.86 ; v1(104.5,83.8) 104.51,83.81 U7.14@106.3,83.81 ; v1(107.15,110.9) 107.245,110.995 U3.6@110.3,110.995 ; v1(115.35,118.05) 115.35,117.595 U3.16@115.1,117.345 117.355,117.345 C5.2@117.4,117.3 ; C7.2@118.1,120.508 118.252,120.66 U5.3@120.5,120.66 121.51,120.66 v1(122.1,121.25)
  POWER w0.254: v1(104.5,83.8) 94.2,83.8 92.15,85.85 90.25,85.85 87.5,88.6 87.5,91.837 92.363,96.7 94.348,96.7 104.398,106.75 105.75,106.75 107.15,108.15 v1(107.15,110.9) ; v1@115.058,118.05 v1(115.35,118.05) 118.9,118.05 v1(122.1,121.25)
  POWER w0.4: v1(106,96.3) 111.45,101.75 111.45,114.442 v1@115.058,118.05
  GND w0.254: v1(103.75,95.65) 103.923,95.823 105.523,95.823 v1(106,96.3)
  Bottom Layer w0.254: v1(103.75,95.65) 103.75,91.65 104.5,90.9 104.5,90.1 ; v1(104.5,83.8) 104.5,90.1 ; C21.2@119.258,75.45 C21.2@119.258,75.55 119.258,77.306 REG2.2@119.4,77.448 ; REG2.4@119.4,84.198 119.4,85.658 C14.2@120.142,86.4 120.142,87.158 119.548,87.752 116.812,87.752 115.457,89.107 112.343,89.107 112.05,89.4 105.2,89.4 104.5,90.1
  Bottom Layer w1: REG2.2@119.4,77.448 REG2.4@119.4,84.198 120.35,84.198 120.625,83.923 120.625,83.775 124.7,79.7 REG1.3@124.7,77.2
pads on no net: P1.0 U3.7 U3.9 U4.3 U5.5 U6.7 U6.9 U6.10 U8.2 U8.3 U8.4 U8.19 U8.29 U8.38 U8.40

## Polygon pours and split planes (outlines as drawn)
GND on GND "MID_GND" (solid, remove dead copper, pour order 2): 136.05,126.85 136.05,69.35 78.8,69.35 78.8,126.8 78.85,126.85